# KiCad board comb03xD.kicad_pcb

Outline 84.41 x 48.56 mm; copper layers: Top, Bottom. Coordinates in mm from the lower left corner of the outline.
Outline path: 0,40.47 arc(0.34,41.29) 1.17,41.62 18.5,41.62 arc(19.32,41.96) 19.66,42.78 19.66,45.09 arc(19.99,45.91) 20.81,46.25 37,46.25 arc(37.82,46.59) 38.16,47.41 arc(38.49,48.22) 39.31,48.56 55.5,48.56 arc(56.32,48.22) 56.66,47.41 arc(56.99,46.59) 57.81,46.25 75.16,46.25 arc(75.97,45.91) 76.31,45.09 76.31,20.81 arc(76.65,19.99) 77.47,19.66 83.25,19.66 arc(84.07,19.32) 84.41,18.5 84.41,1.16 arc(84.07,0.34) 83.25,0 1.16,0 arc(0.34,0.34) 0,1.16 0,40.47

## Placement (name value [footprint] x y rotation side)
B+jumper1  SolderJumper_3_Open  [SolderJumper-3_P2.0mm_Open_TrianglePad1.0x1.5mm]  5.78 9.25 270 top
B-jumper1  SolderJumper_3_Open  [SolderJumper-3_P2.0mm_Open_TrianglePad1.0x1.5mm]  10.41 9.25 90 top
BT1  Battery_Cell  [SbM-9202_14250_battery_holder]  47.41 15.03 90 top
D1  Diode  [Diode_DO-35_DO35_unprinted]  58.97 19.31 90 top
D2  Diode  [Diode_DO-35_DO35_unprinted]  62.44 19.31 90 top
D3  Diode  [Diode_DO-35_DO35_unprinted]  65.91 19.31 90 top
D4  Diode  [Diode_DO-35_DO35_unprinted]  69.38 19.31 90 top
D5  Diode  [Diode_DO-35_DO35_unprinted]  72.84 19.31 90 top
H1  MountingHole  [MountingHole_2.2mm_M2]  34.94 21.75 0 top
H2  MountingHole  [MountingHole_2.2mm_M2]  10.66 21.75 0 top
J1  Conn_01x04_Socket  [BMS 1S]  40.35 15.3 270 top
S1  Keyswitch  [Hotswap_MX_1.00u_reversible_18.5mm]  10.41 32.38 0 top
S2  Keyswitch  [Hotswap_MX_1.00u_reversible_18.5mm]  28.91 37 0 top
S3  Keyswitch  [Hotswap_MX_1.00u_reversible_18.5mm]  47.41 41.62 0 top
S4  Keyswitch  [Hotswap_MX_1.00u_reversible_18.5mm]  65.91 37 0 top
S5  Keyswitch  [Hotswap_MX_1.00u_reversible_18.5mm]  75.16 9.25 0 top
SW1  SW_SPDT_312  [SW_Vertical_Slide_5mm]  61.28 9.25 90 top
U1  Promicro_NRF52840  [Promicro_nrf52840]  19.66 9.25 90 top

## Library data of the parts
B+jumper1 B-jumper1 = -: Description: Solder Jumper, 3-pole, open; ki_fp_filters: SolderJumper*Open*
BT1 = -: Description: Single-cell battery
D1-D5 = -: Description: 1N4148 (DO-35) or 1N4148W (SOD-123); Sim.Device: D; Sim.Pins: 1=K 2=A; ki_fp_filters: D*DO?35*
H1 H2 = -: Description: Mounting Hole without connection; ki_fp_filters: MountingHole*
J1 = -: Description: Generic connector, single row, 01x04, script generated; ki_fp_filters: Connector*:*_1x??_*
S1-S5 = -: Description: Push button switch, normally open, two pins, 45° tilted
SW1 = -: Description: Switch, single pole double throw

## Footprints (pads in the part's own frame, mm; a bottom-side part is the same pattern mirrored in y, then rotated)
BMS 1S
  rect 5.5x3.5 hole 2.5: 1(-12,0) 4(12,0)
  rect 3.5x3.5 hole 2.5: 2(-4,0) 3(4,0)
Diode_DO-35_DO35_unprinted
  rect 1.6x1.6 hole 0.8: 1(0,0)
  oval 1.6x1.6 hole 0.8: 2(7.62,0)
Hotswap_MX_1.00u_reversible_18.5mm
  round 1.75 hole 1.75 unplated: (-5.08,0) (5.08,0)
  round 3.05 hole 3.05 unplated: (-3.81,2.54) (-2.54,5.08) (2.54,5.08) (3.81,2.54)
  round 4 hole 4 unplated: (0,0)
  round 0.6 hole 0.3: 1(-7.8,4.8) 2(7.8,4.8)
  rrect 2.5x2.5 smd far side: 1(-7,2.54)
  rrect 2.55x2.5 smd: 1(-5.842,5.08)
  rrect 2.55x2.5 smd far side: 2(5.842,5.08)
  rrect 2.5x2.5 smd: 2(7,2.54)
MountingHole_2.2mm_M2
  round 2.2 hole 2.2 unplated: (0,0)
Promicro_nrf52840
  round 1.753 hole 1.092: 1(-7.62,15.24) 2(-7.62,12.7) 3(-7.62,10.16) 4(-7.62,7.62) 5(-7.62,5.08) 6(-7.62,2.54) 7(-7.62,0) 8(-7.62,-2.54) 9(-7.62,-5.08) 10(-7.62,-7.62) 11(-7.62,-10.16) 12(-7.62,-12.7) 13(7.62,-12.7) 14(7.62,-10.16) 15(7.62,-7.62) 16(7.62,-5.08) 17(7.62,-2.54) 18(7.62,0) 19(7.62,2.54) 20(7.62,5.08) 21(7.62,7.62) 22(7.62,10.16) 23(7.62,12.7) 24(7.62,15.24) 25(-5.08,-7.62) 26(-2.54,-7.62) 27(0,-7.62) 28(7.62,17.78) 29(-7.62,17.78)
SbM-9202_14250_battery_holder
  rrect 3x3 smd: 1(3.95,2) 1(3.95,-2) 2(-3.95,2) 2(-3.95,-2)
  rrect 3x3 smd far side: 1(3.95,2) 1(3.95,-2) 2(-3.95,2) 2(-3.95,-2)
  round 2.9 hole 1.9: 1(11.57,0) 2(-11.57,0)
SolderJumper-3_P2.0mm_Open_TrianglePad1.0x1.5mm
  custom 1.5x1.5 smd: 1(-2,0) 3(2,0)
  custom 2.4x1.5 smd: 2(0,0)
SW_Vertical_Slide_5mm
  rrect 2.3x3.6 hole 1.3x2.6: 1(0,0) 2(-4.8,0) 3(4.8,0)

## Nets
B+: BT1.1 J1.1
B-: BT1.2 J1.4
col_1: S1.1 U1.16
col_2: S2.1 U1.15
col_3: S3.1 U1.14
col_4: S4.1 S5.1 U1.13
left: B+jumper1.3 B-jumper1.1 U1.29
P+: B+jumper1.2 SW1.1
P-: B-jumper1.2 J1.3
Ps+: J1.2 SW1.3
right: B+jumper1.1 B-jumper1.3 U1.28
row_1: D1.1 D2.1 D3.1 D4.1 U1.18
row_2: D5.1 U1.17
Net-(D1-A): D1.2 S1.2
Net-(D2-A): D2.2 S2.2
Net-(D3-A): D3.2 S3.2
Net-(D4-A): D4.2 S4.2
Net-(D5-A): D5.2 S5.2

Pads without a net: SW1 2; U1 1 2 3 4 5 6 7 8 9 10 11 12 19 20 21 22 23 24 25 26 27

## Via types
v1: diameter 0.6, hole 0.3, Top to Bottom, 1 via

## Routing (per net, layer and track width the routed paths; a pad name or vN(x,y) marks a point on that pad's centre or on a via; arc(x,y) is an arc through that point)
B+: length 49.1
  Top w0.2: BT1.1 46.71,27.3 J1.1 ; BT1.1 49.41,24.6 BT1.1 BT1.1 45.41,24.6 BT1.1
  Bottom w0.2: 49.41,24.6 BT1.1 BT1.1 45.41,24.6 BT1.1 49.41,24.6
B-: length 48.9
  Top w0.2: BT1.2 49.41,5.46 BT1.2 BT1.2 45.41,5.46 BT1.2 ; BT1.2 47.24,3.3 J1.4
  Bottom w0.2: BT1.2 49.41,5.46 BT1.2 BT1.2 45.41,5.46 BT1.2
col_1: length 35.2
  Bottom w0.2: U1.16 24.74,25.4 21.39,28.75 7.21,28.75 3.41,32.56 S1.1
col_2: length 24.9
  Bottom w0.2: U1.15 27.33,16.93 27.33,29.26 21.91,34.69 S2.1
col_3: length 35
  Bottom w0.2: U1.14 29.82,29.19 34.25,33.63 39.9,33.63 40.41,34.14 S3.1
col_4: length 72.8
  Bottom w0.2: 50.82,29.52 56.92,23.42 56.92,18.23 58.14,17.01 65,17.01 68.16,13.86 S5.1 ; 50.82,29.52 58.91,37.6 S4.1 ; 50.82,29.52 48.69,31.65 38.62,31.65 32.36,25.39 U1.13
left: length 11.9
  Top w0.2: U1.29 1.88,3.34 B+jumper1.3 B-jumper1.1
P+: length 59.5
  Top w0.2: B+jumper1.2 7.35,9.25 7.74,9.64 v1(8.2,9.64)
  Bottom w0.2: v1(8.2,9.64) 23.9,9.64 28.31,14.05 56.48,14.05 SW1.1
P-: length 30.8
  Top w0.2: B-jumper1.2 24.12,9.25 26.17,11.3 J1.3
Ps+: length 23.1
  Top w0.2: J1.2 45.6,14.05 SW1.3
right: length 11.9
  Top w0.2: B-jumper1.3 B+jumper1.1 1.88,15.16 U1.28
row_1: length 69.5
  Top w0.2: U1.18 19.66,25.5 26.47,32.31 50.92,32.31 58.97,24.26 D1.1 D2.1 D3.1 D4.1
row_2: length 71.3
  Top w0.2: U1.17 22.2,25.6 28.46,31.86 49.09,31.86 57.38,23.57 57.38,18.71 58.31,17.77 71.3,17.77 D5.1
Net-(D1-A): length 45.8
  Top w0.2: S1.2 17.41,33.24 17.94,32.72 53.19,32.72 D1.2
Net-(D2-A): length 33.8
  Top w0.2: S2.2 35.91,36.09 37.91,34.09 55.28,34.09 D2.2
Net-(D3-A): length 23
  Top w0.2: S3.2 54.41,36.66 57.43,33.63 59.21,33.63 D3.2
Net-(D4-A): length 14.1
  Top w0.2: S4.2 72.91,30.47 D4.2
Net-(D5-A): length 21.1
  Top w0.2: S5.2 82.16,15.87 81.32,16.7 77.66,16.7 72.84,21.52 D5.2

## Copper pours and planes (outline as drawn; the poured copper is in the pictures)
(no net) on Top, Bottom: -13.06,55 -13.06,-65 91.94,-65 91.94,55
